# KiCad board TwoTailed.kicad_pcb
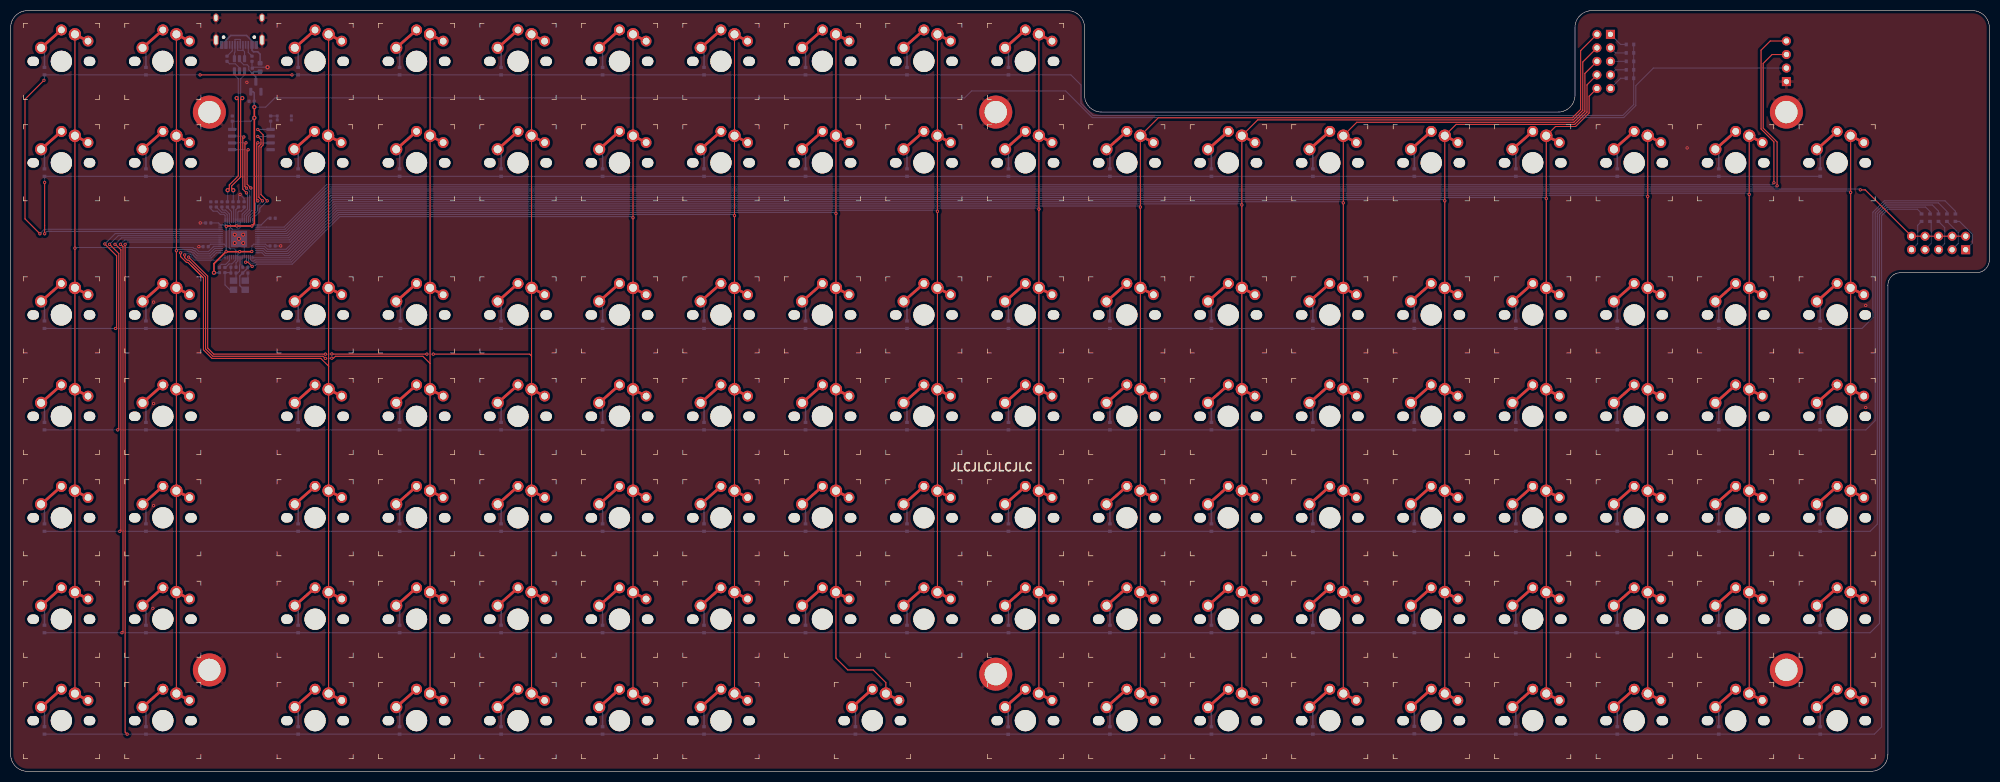
[diagram p0: board, top side]
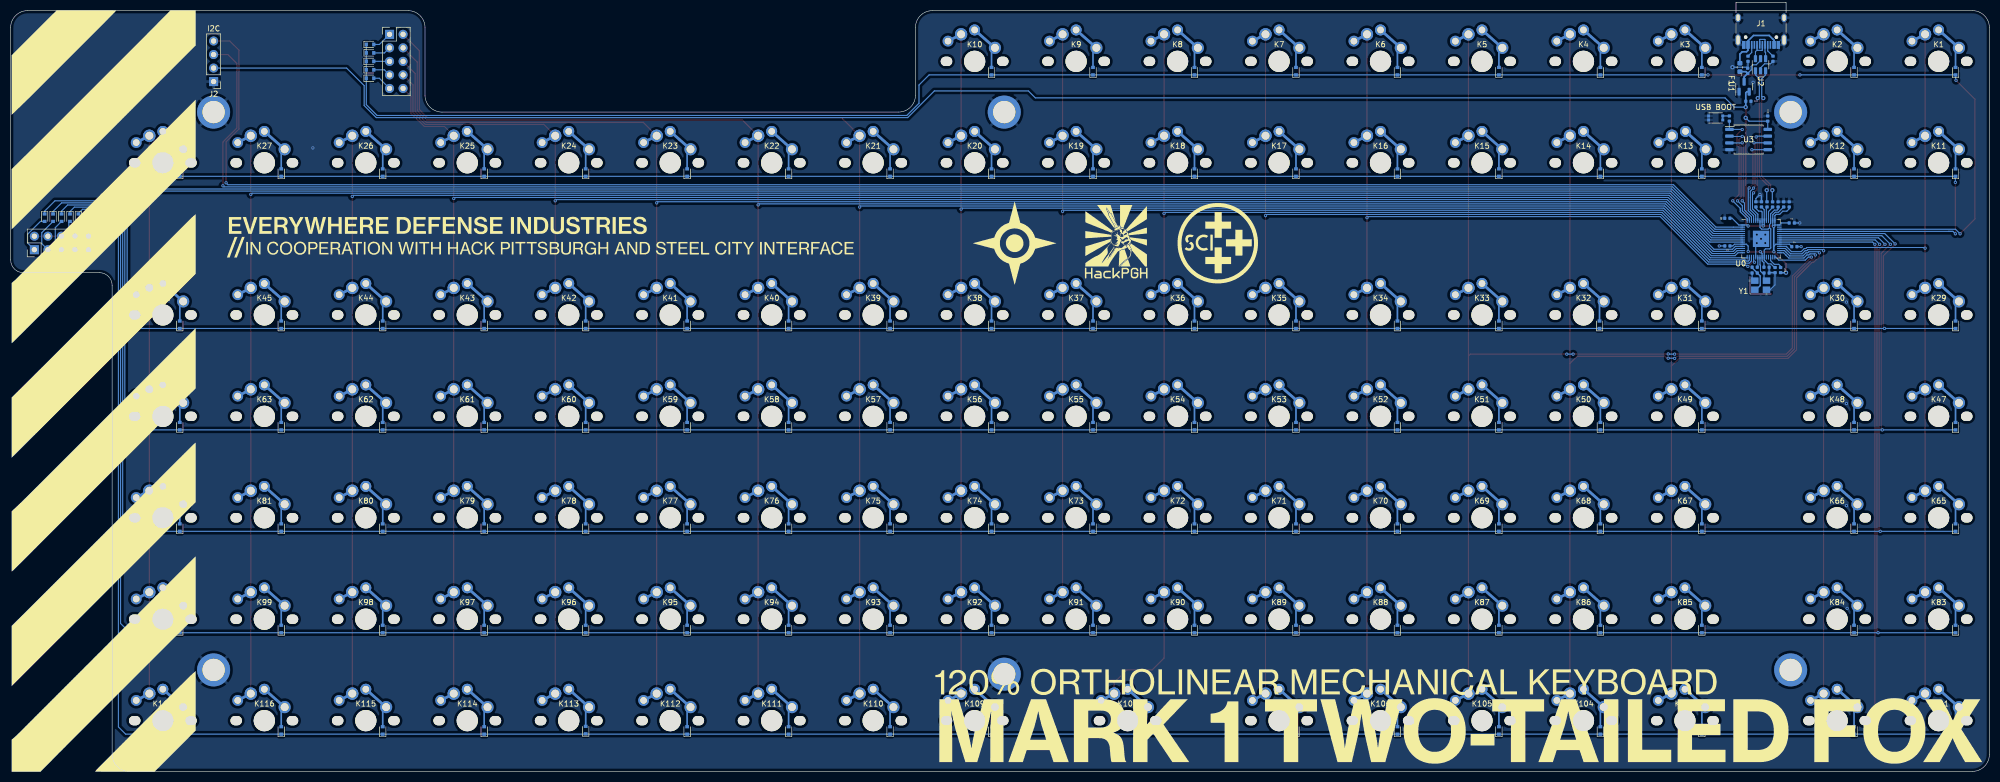
[diagram p1: board, bottom side, seen from below]

Outline 371.47 x 142.88 mm; copper layers: Top, Bottom. Coordinates in mm from the lower left corner of the outline.
Outline path: 0,139.7 arc(0.93,141.95) 3.17,142.88 198.44,142.88 arc(200.68,141.95) 201.61,139.7 201.61,127 arc(202.54,124.75) 204.79,123.83 290.51,123.83 arc(292.76,124.75) 293.69,127 293.69,139.7 arc(294.62,141.95) 296.86,142.88 368.3,142.88 arc(370.55,141.95) 371.47,139.7 371.47,96.04 arc(370.78,94.36) 369.09,93.66 354.81,93.66 arc(353.12,92.97) 352.42,91.28 352.42,3.18 arc(351.5,0.93) 349.25,0 3.17,0 arc(0.93,0.93) 0,3.18 0,139.7
Stack: Top 0.035mm / dielectric 1.51mm FR4 er 4.5 / Bottom 0.035mm

## Placement (name value [footprint] x y rotation side)
C1  100nF  [Passive_0402_1005Metric]  39.65 106.48 90 bottom
C2  1uf  [Passive_0402_1005Metric]  40.23 94.15 270 bottom
C3  100nF  [Passive_0402_1005Metric]  49.18 98.68 0 bottom
C4  100nF  [Passive_0402_1005Metric]  36.61 98.55 180 bottom
C5  100nF  [Passive_0402_1005Metric]  37.1 103 180 bottom
C6  100nF  [Passive_0402_1005Metric]  37.57 106.48 90 bottom
C7  100nF  [Passive_0402_1005Metric]  38.61 106.48 90 bottom
C8  100nF  [Passive_0402_1005Metric]  49.19 103.89 0 bottom
C9  100nF  [Passive_0402_1005Metric]  42.78 106.49 90 bottom
C10  1uf  [Passive_0402_1005Metric]  43.82 106.49 90 bottom
C11  10uf  [Passive_0402_1005Metric]  41.83 94.69 180 bottom
CF1  100nF  [Passive_0402_1005Metric]  41.61 122.6 90 bottom
CP1  100nF  [Passive_0402_1005Metric]  45.37 131.57 270 bottom
CP2  10uF  [Passive_0402_1005Metric]  45.24 125.86 0 bottom
CX1  100nF  [Passive_0402_1005Metric]  41.82 93.6 180 bottom
CX2  100nF  [Passive_0402_1005Metric]  44.06 93.6 180 bottom
D1  1N4148W-T4  [D_SOD-523]  6.35 131.51 90 bottom
D2  1N4148W-T4  [D_SOD-523]  25.4 131.51 90 bottom
D3  1N4148W-T4  [D_SOD-523]  53.98 131.51 90 bottom
D4  1N4148W-T4  [D_SOD-523]  73.03 131.51 90 bottom
D5  1N4148W-T4  [D_SOD-523]  92.07 131.51 90 bottom
D6  1N4148W-T4  [D_SOD-523]  111.12 131.51 90 bottom
D7  1N4148W-T4  [D_SOD-523]  130.18 131.51 90 bottom
D8  1N4148W-T4  [D_SOD-523]  149.22 131.51 90 bottom
D9  1N4148W-T4  [D_SOD-523]  168.28 131.51 90 bottom
D10  1N4148W-T4  [D_SOD-523]  187.33 131.51 90 bottom
D11  1N4148W-T4  [D_SOD-523]  6.35 112.46 90 bottom
D12  1N4148W-T4  [D_SOD-523]  25.4 112.46 90 bottom
D13  1N4148W-T4  [D_SOD-523]  53.98 112.46 90 bottom
D14  1N4148W-T4  [D_SOD-523]  73.03 112.46 90 bottom
D15  1N4148W-T4  [D_SOD-523]  92.07 112.46 90 bottom
D16  1N4148W-T4  [D_SOD-523]  111.12 112.46 90 bottom
D17  1N4148W-T4  [D_SOD-523]  130.18 112.46 90 bottom
D18  1N4148W-T4  [D_SOD-523]  149.22 112.46 90 bottom
D19  1N4148W-T4  [D_SOD-523]  168.28 112.46 90 bottom
D20  1N4148W-T4  [D_SOD-523]  187.33 112.46 90 bottom
D21  1N4148W-T4  [D_SOD-523]  206.38 112.46 90 bottom
D22  1N4148W-T4  [D_SOD-523]  225.42 112.46 90 bottom
D23  1N4148W-T4  [D_SOD-523]  244.47 112.46 90 bottom
D24  1N4148W-T4  [D_SOD-523]  263.52 112.46 90 bottom
D25  1N4148W-T4  [D_SOD-523]  282.57 112.46 90 bottom
D26  1N4148W-T4  [D_SOD-523]  301.62 112.46 90 bottom
D27  1N4148W-T4  [D_SOD-523]  320.67 112.46 90 bottom
D28  1N4148W-T4  [D_SOD-523]  339.72 112.46 90 bottom
D29  1N4148W-T4  [D_SOD-523]  6.35 83.89 90 bottom
D30  1N4148W-T4  [D_SOD-523]  25.4 83.89 90 bottom
D31  1N4148W-T4  [D_SOD-523]  53.98 83.89 90 bottom
D32  1N4148W-T4  [D_SOD-523]  73.18 83.89 90 bottom
D33  1N4148W-T4  [D_SOD-523]  92.07 83.89 90 bottom
D34  1N4148W-T4  [D_SOD-523]  111.12 83.89 90 bottom
D35  1N4148W-T4  [D_SOD-523]  130.18 83.89 90 bottom
D36  1N4148W-T4  [D_SOD-523]  149.22 83.89 90 bottom
D37  1N4148W-T4  [D_SOD-523]  168.28 83.89 90 bottom
D38  1N4148W-T4  [D_SOD-523]  187.33 83.89 90 bottom
D39  1N4148W-T4  [D_SOD-523]  206.38 83.89 90 bottom
D40  1N4148W-T4  [D_SOD-523]  225.42 83.89 90 bottom
D41  1N4148W-T4  [D_SOD-523]  244.47 83.89 90 bottom
D42  1N4148W-T4  [D_SOD-523]  263.52 83.89 90 bottom
D43  1N4148W-T4  [D_SOD-523]  282.57 83.89 90 bottom
D44  1N4148W-T4  [D_SOD-523]  301.62 83.89 90 bottom
D45  1N4148W-T4  [D_SOD-523]  320.67 83.89 90 bottom
D46  1N4148W-T4  [D_SOD-523]  339.72 83.89 90 bottom
D47  1N4148W-T4  [D_SOD-523]  6.35 64.84 90 bottom
D48  1N4148W-T4  [D_SOD-523]  25.4 64.84 90 bottom
D49  1N4148W-T4  [D_SOD-523]  53.98 64.84 90 bottom
D50  1N4148W-T4  [D_SOD-523]  73.03 64.84 90 bottom
D51  1N4148W-T4  [D_SOD-523]  92.07 64.84 90 bottom
D52  1N4148W-T4  [D_SOD-523]  111.12 64.84 90 bottom
D53  1N4148W-T4  [D_SOD-523]  130.18 64.84 90 bottom
D54  1N4148W-T4  [D_SOD-523]  149.22 64.84 90 bottom
D55  1N4148W-T4  [D_SOD-523]  168.28 64.84 90 bottom
D56  1N4148W-T4  [D_SOD-523]  187.33 64.84 90 bottom
D57  1N4148W-T4  [D_SOD-523]  206.38 64.84 90 bottom
D58  1N4148W-T4  [D_SOD-523]  225.42 64.84 90 bottom
D59  1N4148W-T4  [D_SOD-523]  244.47 64.84 90 bottom
D60  1N4148W-T4  [D_SOD-523]  263.52 64.84 90 bottom
D61  1N4148W-T4  [D_SOD-523]  282.57 64.84 90 bottom
D62  1N4148W-T4  [D_SOD-523]  301.62 64.84 90 bottom
D63  1N4148W-T4  [D_SOD-523]  320.67 64.84 90 bottom
D64  1N4148W-T4  [D_SOD-523]  339.72 64.84 90 bottom
D65  1N4148W-T4  [D_SOD-523]  6.35 45.79 90 bottom
D66  1N4148W-T4  [D_SOD-523]  25.4 45.79 90 bottom
D67  1N4148W-T4  [D_SOD-523]  53.98 45.79 90 bottom
D68  1N4148W-T4  [D_SOD-523]  73.03 45.79 90 bottom
D69  1N4148W-T4  [D_SOD-523]  92.07 45.79 90 bottom
D70  1N4148W-T4  [D_SOD-523]  111.12 45.79 90 bottom
D71  1N4148W-T4  [D_SOD-523]  130.18 45.79 90 bottom
D72  1N4148W-T4  [D_SOD-523]  149.22 45.79 90 bottom
D73  1N4148W-T4  [D_SOD-523]  168.28 45.79 90 bottom
D74  1N4148W-T4  [D_SOD-523]  187.33 45.79 90 bottom
D75  1N4148W-T4  [D_SOD-523]  206.38 45.79 90 bottom
D76  1N4148W-T4  [D_SOD-523]  225.42 45.79 90 bottom
D77  1N4148W-T4  [D_SOD-523]  244.47 45.79 90 bottom
D78  1N4148W-T4  [D_SOD-523]  263.52 45.79 90 bottom
D79  1N4148W-T4  [D_SOD-523]  282.57 45.79 90 bottom
D80  1N4148W-T4  [D_SOD-523]  301.62 45.79 90 bottom
D81  1N4148W-T4  [D_SOD-523]  320.67 45.79 90 bottom
D82  1N4148W-T4  [D_SOD-523]  339.72 45.79 90 bottom
D83  1N4148W-T4  [D_SOD-523]  6.35 26.74 90 bottom
D84  1N4148W-T4  [D_SOD-523]  25.4 26.74 90 bottom
D85  1N4148W-T4  [D_SOD-523]  53.98 26.74 90 bottom
D86  1N4148W-T4  [D_SOD-523]  73.03 26.74 90 bottom
D87  1N4148W-T4  [D_SOD-523]  92.07 26.74 90 bottom
D88  1N4148W-T4  [D_SOD-523]  111.12 26.74 90 bottom
D89  1N4148W-T4  [D_SOD-523]  130.18 26.74 90 bottom
D90  1N4148W-T4  [D_SOD-523]  149.22 26.74 90 bottom
D91  1N4148W-T4  [D_SOD-523]  168.28 26.74 90 bottom
D92  1N4148W-T4  [D_SOD-523]  187.33 26.74 90 bottom
D93  1N4148W-T4  [D_SOD-523]  206.38 26.74 90 bottom
D94  1N4148W-T4  [D_SOD-523]  225.42 26.74 90 bottom
D95  1N4148W-T4  [D_SOD-523]  244.47 26.74 90 bottom
D96  1N4148W-T4  [D_SOD-523]  263.52 26.74 90 bottom
D97  1N4148W-T4  [D_SOD-523]  282.57 26.74 90 bottom
D98  1N4148W-T4  [D_SOD-523]  301.62 26.74 90 bottom
D99  1N4148W-T4  [D_SOD-523]  320.67 26.74 90 bottom
D100  1N4148W-T4  [D_SOD-523]  339.72 26.74 90 bottom
D101  1N4148W-T4  [D_SOD-523]  6.35 7.69 90 bottom
D102  1N4148W-T4  [D_SOD-523]  25.4 7.69 90 bottom
D103  1N4148W-T4  [D_SOD-523]  53.98 7.69 90 bottom
D104  1N4148W-T4  [D_SOD-523]  73.03 7.69 90 bottom
D105  1N4148W-T4  [D_SOD-523]  92.07 7.69 90 bottom
D106  1N4148W-T4  [D_SOD-523]  111.12 7.69 90 bottom
D107  1N4148W-T4  [D_SOD-523]  130.18 7.69 90 bottom
D108  1N4148W-T4  [D_SOD-523]  158.59 7.69 90 bottom
D109  1N4148W-T4  [D_SOD-523]  187.27 7.65 90 bottom
D110  1N4148W-T4  [D_SOD-523]  206.38 7.69 90 bottom
D111  1N4148W-T4  [D_SOD-523]  225.42 7.69 90 bottom
D112  1N4148W-T4  [D_SOD-523]  244.47 7.69 90 bottom
D113  1N4148W-T4  [D_SOD-523]  263.52 7.75 90 bottom
D114  1N4148W-T4  [D_SOD-523]  282.57 7.69 90 bottom
D115  1N4148W-T4  [D_SOD-523]  301.62 7.69 90 bottom
D116  1N4148W-T4  [D_SOD-523]  320.67 7.69 90 bottom
D117  1N4148W-T4  [D_SOD-523]  339.72 7.69 90 bottom
DT1  SOD-523  [D_SOD-523]  304.01 136.53 180 bottom
DT2  SOD-523  [D_SOD-523]  304.01 134.94 180 bottom
DT3  SOD-523  [D_SOD-523]  304.01 133.35 180 bottom
DT4  SOD-523  [D_SOD-523]  304.01 131.76 180 bottom
DT5  SOD-523  [D_SOD-523]  304.01 130.18 180 bottom
DT6  SOD-523  [D_SOD-523]  365.1 103.99 270 bottom
DT7  SOD-523  [D_SOD-523]  363.51 103.99 270 bottom
DT8  SOD-523  [D_SOD-523]  361.92 103.99 270 bottom
DT9  SOD-523  [D_SOD-523]  360.34 103.99 270 bottom
DT10  SOD-523  [D_SOD-523]  358.75 103.99 270 bottom
F1  6v 500ma  [Fuse_0603_1608Metric]  46.83 132.21 270 bottom
G***  LOGO  [EDI-HP-SCI]  234.09 99.19 180 bottom
G***#2  LOGO  [2tail]  99.73 8.76 180 bottom
G***#3  LOGO  [sweethaz]  354.01 71.44 180 bottom
H1  Mount  [SolderableHole]  37.31 123.83 180 bottom
H2  Mount  [SolderableHole]  184.94 123.83 180 bottom
H3  Mount  [SolderableHole]  333.38 123.83 180 bottom
H4  Mount  [SolderableHole]  37.31 19.05 180 bottom
H5  Mount  [SolderableHole]  184.94 18.26 180 bottom
H6  Mount  [SolderableHole]  333.38 19.05 180 bottom
J1  USB  [USB_C_Receptacle_HRO_TYPE-C-31-M-12]  42.86 140.49 0 bottom
J2  I2C  [PinHeader_1x04_P2.54mm_Vertical]  333.38 129.55 0 bottom
JT1  Toggle Block N  [PinHeader_2x05_P2.54mm_Vertical]  300.34 138.43 180 bottom
JT2  Toggle Block E  [PinHeader_2x05_P2.54mm_Vertical]  367.02 97.98 90 bottom
K1  Keyswitch  [MX-Choc]  9.52 133.35 0 top
K2  Keyswitch  [MX-Choc]  28.57 133.35 0 top
K3  Keyswitch  [MX-Choc]  57.15 133.35 0 top
K4  Keyswitch  [MX-Choc]  76.2 133.35 0 top
K5  Keyswitch  [MX-Choc]  95.25 133.35 0 top
K6  Keyswitch  [MX-Choc]  114.3 133.35 0 top
K7  Keyswitch  [MX-Choc]  133.35 133.35 0 top
K8  Keyswitch  [MX-Choc]  152.4 133.35 0 top
K9  Keyswitch  [MX-Choc]  171.45 133.35 0 top
K10  Keyswitch  [MX-Choc]  190.5 133.35 0 top
K11  Keyswitch  [MX-Choc]  9.52 114.3 0 top
K12  Keyswitch  [MX-Choc]  28.57 114.3 0 top
K13  Keyswitch  [MX-Choc]  57.05 114.3 0 top
K14  Keyswitch  [MX-Choc]  76.2 114.3 0 top
K15  Keyswitch  [MX-Choc]  95.25 114.3 0 top
K16  Keyswitch  [MX-Choc]  114.3 114.3 0 top
K17  Keyswitch  [MX-Choc]  133.35 114.3 0 top
K18  Keyswitch  [MX-Choc]  152.4 114.3 0 top
K19  Keyswitch  [MX-Choc]  171.45 114.3 0 top
K20  Keyswitch  [MX-Choc]  190.5 114.3 0 top
K21  Keyswitch  [MX-Choc]  209.55 114.3 0 top
K22  Keyswitch  [MX-Choc]  228.6 114.3 0 top
K23  Keyswitch  [MX-Choc]  247.65 114.3 0 top
K24  Keyswitch  [MX-Choc]  266.7 114.3 0 top
K25  Keyswitch  [MX-Choc]  285.75 114.3 0 top
K26  Keyswitch  [MX-Choc]  304.8 114.3 0 top
K27  Keyswitch  [MX-Choc]  323.85 114.3 0 top
K28  Keyswitch  [MX-Choc]  342.9 114.3 0 top
K29  Keyswitch  [MX-Choc]  9.52 85.73 0 top
K30  Keyswitch  [MX-Choc]  28.57 85.73 0 top
K31  Keyswitch  [MX-Choc]  57.15 85.73 0 top
K32  Keyswitch  [MX-Choc]  76.2 85.73 0 top
K33  Keyswitch  [MX-Choc]  95.25 85.73 0 top
K34  Keyswitch  [MX-Choc]  114.3 85.73 0 top
K35  Keyswitch  [MX-Choc]  133.35 85.73 0 top
K36  Keyswitch  [MX-Choc]  152.4 85.73 0 top
K37  Keyswitch  [MX-Choc]  171.45 85.73 0 top
K38  Keyswitch  [MX-Choc]  190.5 85.73 0 top
K39  Keyswitch  [MX-Choc]  209.55 85.73 0 top
K40  Keyswitch  [MX-Choc]  228.6 85.73 0 top
K41  Keyswitch  [MX-Choc]  247.65 85.73 0 top
K42  Keyswitch  [MX-Choc]  266.7 85.73 0 top
K43  Keyswitch  [MX-Choc]  285.75 85.73 0 top
K44  Keyswitch  [MX-Choc]  304.8 85.73 0 top
K45  Keyswitch  [MX-Choc]  323.85 85.73 0 top
K46  Keyswitch  [MX-Choc]  342.9 85.73 0 top
K47  Keyswitch  [MX-Choc]  9.52 66.68 0 top
K48  Keyswitch  [MX-Choc]  28.57 66.68 0 top
K49  Keyswitch  [MX-Choc]  57.15 66.68 0 top
K50  Keyswitch  [MX-Choc]  76.2 66.68 0 top
K51  Keyswitch  [MX-Choc]  95.25 66.68 0 top
K52  Keyswitch  [MX-Choc]  114.3 66.68 0 top
K53  Keyswitch  [MX-Choc]  133.35 66.68 0 top
K54  Keyswitch  [MX-Choc]  152.4 66.68 0 top
K55  Keyswitch  [MX-Choc]  171.45 66.68 0 top
K56  Keyswitch  [MX-Choc]  190.5 66.68 0 top
K57  Keyswitch  [MX-Choc]  209.55 66.68 0 top
K58  Keyswitch  [MX-Choc]  228.6 66.68 0 top
K59  Keyswitch  [MX-Choc]  247.65 66.68 0 top
K60  Keyswitch  [MX-Choc]  266.7 66.68 0 top
K61  Keyswitch  [MX-Choc]  285.75 66.68 0 top
K62  Keyswitch  [MX-Choc]  304.8 66.68 0 top
K63  Keyswitch  [MX-Choc]  323.85 66.68 0 top
K64  Keyswitch  [MX-Choc]  342.9 66.68 0 top
K65  Keyswitch  [MX-Choc]  9.52 47.62 0 top
K66  Keyswitch  [MX-Choc]  28.57 47.62 0 top
K67  Keyswitch  [MX-Choc]  57.15 47.62 0 top
K68  Keyswitch  [MX-Choc]  76.2 47.62 0 top
K69  Keyswitch  [MX-Choc]  95.25 47.62 0 top
K70  Keyswitch  [MX-Choc]  114.3 47.62 0 top
K71  Keyswitch  [MX-Choc]  133.35 47.62 0 top
K72  Keyswitch  [MX-Choc]  152.4 47.62 0 top
K73  Keyswitch  [MX-Choc]  171.45 47.62 0 top
K74  Keyswitch  [MX-Choc]  190.5 47.62 0 top
K75  Keyswitch  [MX-Choc]  209.55 47.62 0 top
K76  Keyswitch  [MX-Choc]  228.6 47.62 0 top
K77  Keyswitch  [MX-Choc]  247.65 47.62 0 top
K78  Keyswitch  [MX-Choc]  266.7 47.62 0 top
K79  Keyswitch  [MX-Choc]  285.75 47.62 0 top
K80  Keyswitch  [MX-Choc]  304.8 47.62 0 top
K81  Keyswitch  [MX-Choc]  323.85 47.62 0 top
K82  Keyswitch  [MX-Choc]  342.9 47.62 0 top
K83  Keyswitch  [MX-Choc]  9.52 28.58 0 top
K84  Keyswitch  [MX-Choc]  28.57 28.58 0 top
K85  Keyswitch  [MX-Choc]  57.15 28.58 0 top
K86  Keyswitch  [MX-Choc]  76.2 28.58 0 top
K87  Keyswitch  [MX-Choc]  95.25 28.58 0 top
K88  Keyswitch  [MX-Choc]  114.3 28.58 0 top
K89  Keyswitch  [MX-Choc]  133.35 28.58 0 top
K90  Keyswitch  [MX-Choc]  152.4 28.58 0 top
K91  Keyswitch  [MX-Choc]  171.45 28.58 0 top
K92  Keyswitch  [MX-Choc]  190.5 28.58 0 top
K93  Keyswitch  [MX-Choc]  209.55 28.58 0 top
K94  Keyswitch  [MX-Choc]  228.6 28.58 0 top
K95  Keyswitch  [MX-Choc]  247.65 28.58 0 top
K96  Keyswitch  [MX-Choc]  266.7 28.58 0 top
K97  Keyswitch  [MX-Choc]  285.75 28.58 0 top
K98  Keyswitch  [MX-Choc]  304.8 28.58 0 top
K99  Keyswitch  [MX-Choc]  323.85 28.58 0 top
K100  Keyswitch  [MX-Choc]  342.9 28.58 0 top
K101  Keyswitch  [MX-Choc]  9.52 9.53 0 top
K102  Keyswitch  [MX-Choc]  28.57 9.53 0 top
K103  Keyswitch  [MX-Choc]  57.15 9.53 0 top
K104  Keyswitch  [MX-Choc]  76.2 9.53 0 top
K105  Keyswitch  [MX-Choc]  95.25 9.53 0 top
K106  Keyswitch  [MX-Choc]  114.3 9.53 0 top
K107  Keyswitch  [MX-Choc]  133.35 9.53 0 top
K108  Keyswitch  [MX-Choc]  161.77 9.53 0 top
K109  Keyswitch  [MX-Choc]  190.5 9.53 0 top
K110  Keyswitch  [MX-Choc]  209.55 9.53 0 top
K111  Keyswitch  [MX-Choc]  228.6 9.53 0 top
K112  Keyswitch  [MX-Choc]  247.65 9.53 0 top
K113  Keyswitch  [MX-Choc]  266.7 9.53 0 top
K114  Keyswitch  [MX-Choc]  285.75 9.53 0 top
K115  Keyswitch  [MX-Choc]  304.8 9.53 0 top
K116  Keyswitch  [MX-Choc]  323.85 9.53 0 top
K117  Keyswitch  [MX-Choc]  342.9 9.53 0 top
RC1  5k1  [Passive_0402_1005Metric]  45.31 133.84 90 bottom
RC2  5k1  [Passive_0402_1005Metric]  40.62 133.84 270 bottom
RD1  27  [Passive_0402_1005Metric]  41.74 106.49 270 bottom
RD2  27  [Passive_0402_1005Metric]  40.69 106.48 270 bottom
RF1  1k  [Passive_0402_1005Metric]  48.81 122.61 90 bottom
RR1  1k  [Passive_0402_1005Metric]  39.19 94.15 90 bottom
RX1  1k  [Passive_0402_1005Metric]  44.06 94.69 0 bottom
S1  USB BOOT  [SW_EVPBB4A9B000]  51.38 122.72 180 bottom
U0  RP2040  [QFN-56-1EP_7x7mm_P0.4mm_EP5.6x5.6mm_ThermalVias]  42.86 100.01 180 bottom
U1  LDO-3.3  [SOT-23]  46.04 128.59 90 bottom
U2  USBLC6-2SC6  [SOT-23-6]  42.96 132.72 90 bottom
U3  W25Q128JVS  [SOIC-8_5.23x5.23mm_P1.27mm]  45.2 118.67 180 bottom
Y1  12MHz  [Crystal_SMD_3225-4Pin_3.2x2.5mm]  42.94 91.31 180 bottom

## Library data of the parts
C1 C3-C9 CF1 CX1 CX2 = -: LCSC: C1525
C2 C10 = -: LCSC: C52923
C11 = -: LCSC: C23733
CP1 = -: LCSC: C1525; Field5: REF**
CP2 = -: LCSC: C15525; Field5: REF**
D1-D117 = -: LCSC: C68948
DT1-DT10 = -: LCSC: C2802290
F1 = -: LCSC: C207011
J1 = -: LCSC: C167321
RC1 RC2 = -: LCSC: C25905; Field5: REF**
RD1 = -: LCSC: C413051
RD2 = -: LCSC: C413051; Field5: REF**
RF1 RR1 RX1 = -: LCSC: C25905
S1 = -: LCSC: C140848
U0 = -: LCSC: C2040
U1 = -: LCSC: C83932
U2 = -: LCSC: C2827654
U3 = -: LCSC: C97521
Y1 = -: LCSC: C9002

## Footprints (pads in the part's own frame, mm; a bottom-side part is the same pattern mirrored in y, then rotated)
Crystal_SMD_3225-4Pin_3.2x2.5mm
  rect 1.4x1.2 smd: 1(-1.1,-0.85) 2(1.1,-0.85) 3(1.1,0.85) 4(-1.1,0.85)
D_SOD-523
  rect 0.6x0.7 smd: 1(-0.7,0) 2(0.7,0)
Fuse_0603_1608Metric
  rrect 0.875x0.95 smd: 1(-0.787,0) 2(0.787,0)
MX-Choc
  oval 2.15x1.75 hole 2.15x1.75 unplated: (-5.283,0) (5.283,0)
  round 3.988 hole 3.988 unplated: (0,0)
  round 2.286 smd: 1(2.54,5.08)
  round 2.286 smd far side: 1(2.54,5.08)
  custom 3.853x2.673 hole 1.499: 1(2.54,5.08)
  round 2.032 hole 1.27: 1(5,3.8)
  round 2.286 hole 1.499: 2(-3.81,2.54)
  round 2.032 smd: 2(0,5.9)
  round 2.032 smd far side: 2(0,5.9)
  custom 5.076x4.626 hole 1.27: 2(0,5.9)
Passive_0402_1005Metric
  rrect 0.59x0.64 smd: 1(-0.485,0) 2(0.485,0)
PinHeader_1x04_P2.54mm_Vertical
  rect 1.7x1.7 hole 1: 1(0,0)
  oval 1.7x1.7 hole 1: 2(0,-2.54) 3(0,-5.08) 4(0,-7.62)
PinHeader_2x05_P2.54mm_Vertical
  rect 1.7x1.7 hole 1: 1(0,0)
  oval 1.7x1.7 hole 1: 2(2.54,0) 3(0,-2.54) 4(2.54,-2.54) 5(0,-5.08) 6(2.54,-5.08) 7(0,-7.62) 8(2.54,-7.62) 9(0,-10.16) 10(2.54,-10.16)
QFN-56-1EP_7x7mm_P0.4mm_EP5.6x5.6mm_ThermalVias
  rrect 1.084x1.084 smd: (-0.637,-0.637) (-0.637,0.637) (0.637,-0.637) (0.637,0.637)
  rrect 0.875x0.2 smd: 1(-3.438,2.6) 2(-3.438,2.2) 3(-3.438,1.8) 4(-3.438,1.4) 5(-3.438,1) 6(-3.438,0.6) 7(-3.438,0.2) 8(-3.438,-0.2) 9(-3.438,-0.6) 10(-3.438,-1) 11(-3.438,-1.4) 12(-3.438,-1.8) 13(-3.438,-2.2) 14(-3.438,-2.6) 29(3.438,-2.6) 30(3.438,-2.2) 31(3.438,-1.8) 32(3.438,-1.4) 33(3.438,-1) 34(3.438,-0.6) 35(3.438,-0.2) 36(3.438,0.2) 37(3.438,0.6) 38(3.438,1) 39(3.438,1.4) 40(3.438,1.8) 41(3.438,2.2) 42(3.438,2.6)
  rrect 0.2x0.875 smd: 15(-2.6,-3.438) 16(-2.2,-3.438) 17(-1.8,-3.438) 18(-1.4,-3.438) 19(-1,-3.438) 20(-0.6,-3.438) 21(-0.2,-3.438) 22(0.2,-3.438) 23(0.6,-3.438) 24(1,-3.438) 25(1.4,-3.438) 26(1.8,-3.438) 27(2.2,-3.438) 28(2.6,-3.438) 43(2.6,3.438) 44(2.2,3.438) 45(1.8,3.438) 46(1.4,3.438) 47(1,3.438) 48(0.6,3.438) 49(0.2,3.438) 50(-0.2,3.438) 51(-0.6,3.438) 52(-1,3.438) 53(-1.4,3.438) 54(-1.8,3.438) 55(-2.2,3.438) 56(-2.6,3.438)
  rect 3.05x3.05 smd: 57(0,0)
SOIC-8_5.23x5.23mm_P1.27mm
  rrect 1.6x0.6 smd: 1(-3.6,1.905) 2(-3.6,0.635) 3(-3.6,-0.635) 4(-3.6,-1.905) 5(3.6,-1.905) 6(3.6,-0.635) 7(3.6,0.635) 8(3.6,1.905)
SolderableHole
  round 6.2 hole 4.2: 1(0,0)
SOT-23
  rrect 1.475x0.6 smd: 1(-0.938,0.95) 2(-0.938,-0.95) 3(0.938,0)
SOT-23-6
  rrect 1.325x0.6 smd: 1(-1.137,0.95) 2(-1.137,0) 3(-1.137,-0.95) 4(1.137,-0.95) 5(1.137,0) 6(1.137,0.95)
SW_EVPBB4A9B000
  rect 0.55x0.55 smd: 1(-1.325,-0.375) 1(-1.325,0.375) 2(1.325,-0.375) 2(1.325,0.375)
USB_C_Receptacle_HRO_TYPE-C-31-M-12
  round 0.65 hole 0.65 unplated: (-2.89,2.6) (2.89,2.6)
  rect 0.6x1.45 smd: A1(-3.25,4.045) A4(-2.45,4.045) A9(2.45,4.045) A12(3.25,4.045) B1(3.25,4.045) B4(2.45,4.045) B9(-2.45,4.045) B12(-3.25,4.045)
  rect 0.3x1.45 smd: A5(-1.25,4.045) A6(-0.25,4.045) A7(0.25,4.045) A8(1.25,4.045) B5(1.75,4.045) B6(0.75,4.045) B7(-0.75,4.045) B8(-1.75,4.045)
  oval 1x1.6 hole 0.6x1.2: S1(-4.32,-1.05) S1(4.32,-1.05)
  oval 1x2.1 hole 0.6x1.7: S1(-4.32,3.13) S1(4.32,3.13)
